# Allegro board zp-dic_pda_8ch_board_v001_166_20241018_1809.brd (continued)
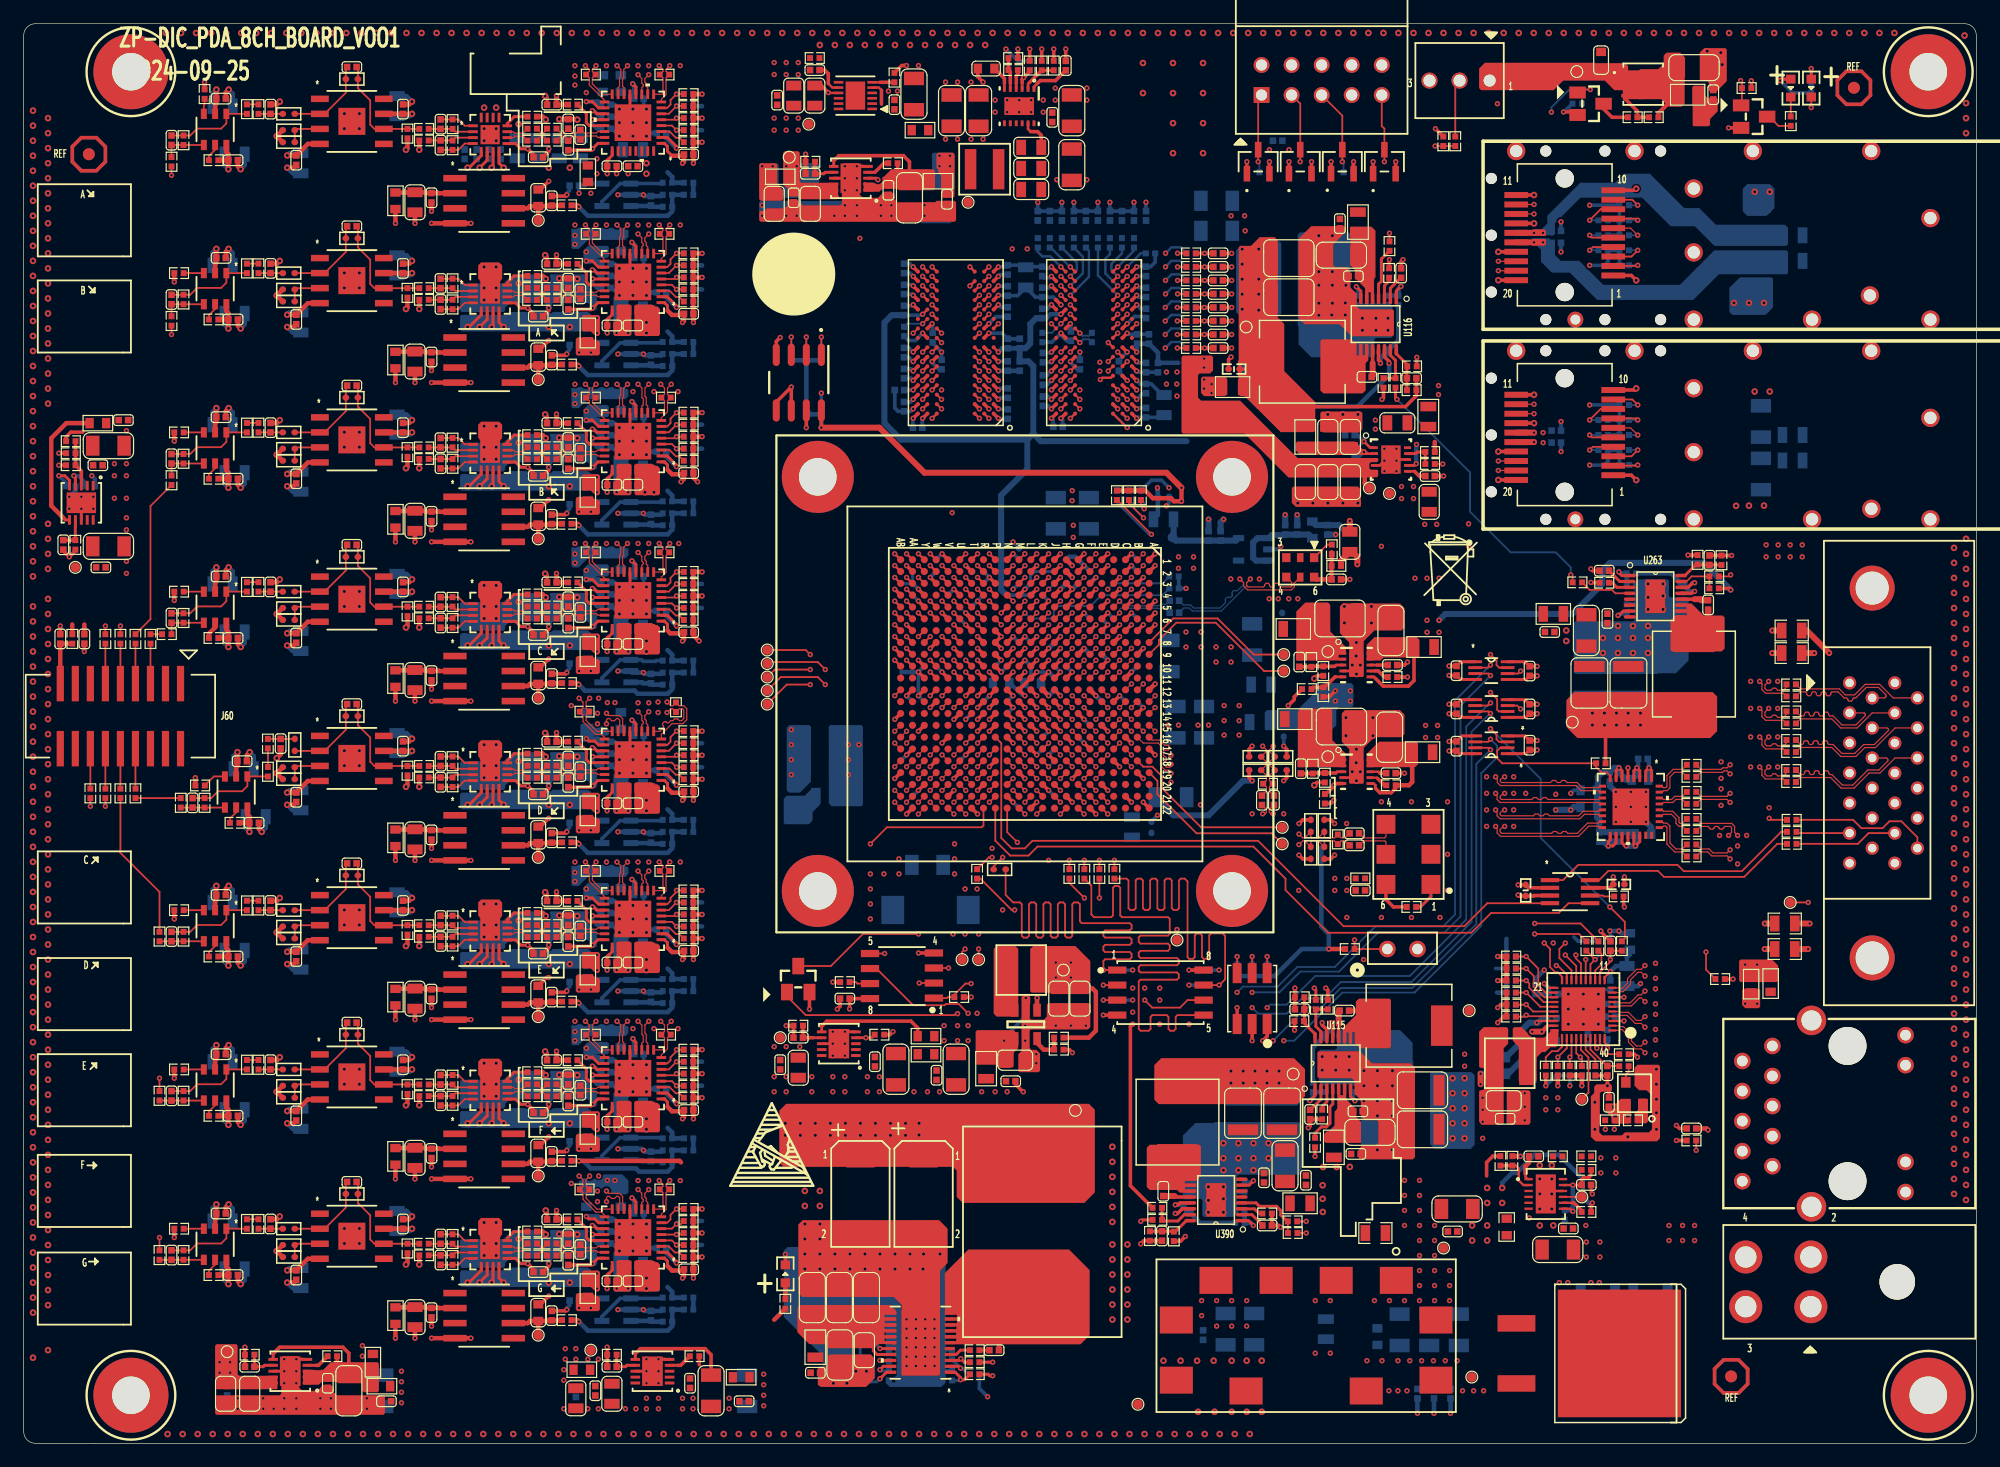
[diagram p0: board, top side]
## Routing (per net, layer and track width the routed paths; a pad name or vN(x,y) marks a point on that pad's centre or on a via; arc(x,y) is an arc through that point) (continued)
ADC4_EN0: length 2.7
  TOP w0.152: U375.4 54.78,44.07 v1(55.16,43.69) R3084.2
  BOTTOM w0.152: R3084.2 v1(55.16,43.69)
ADC4_EN1: length 2.6
  TOP w0.152: U375.5 55.03,44.57 v1(55.16,44.7) R3082.2
  BOTTOM w0.152: R3082.2 v1(55.16,44.7)
ADC4_EN2: length 2.8
  TOP w0.152: U375.6 54.52,45.07 v1(55.16,45.72) R3080.2
  BOTTOM w0.152: R3080.2 v1(55.16,45.72)
ADC4_EN3: length 3.2
  TOP w0.152: R3078.2 v1(55.16,46.74) 55.16,46.61 54.66,46.1 54.66,45.85 54.38,45.57 U375.7
  BOTTOM w0.152: R3078.2 v1(55.16,46.74)
ADC4_IN+: length 4.8
  TOP w0.102: R2754.2 45.41,43.18 45.64,43.18 C3161.1 46.4,43.18 46.63,43.18 46.9,42.91 C3160.2 47.17,42.91 47.46,43.2 48.4,43.2 48.53,43.07 U375.23
ADC4_IN-: length 4.8
  TOP w0.102: U375.22 48.53,43.57 48.4,43.45 47.38,43.45 47.12,43.71 C3160.1 46.95,43.71 46.68,43.43 46.4,43.43 C3158.2 45.64,43.43 45.41,43.43 R2747.2
ADC4_VCM_OUT: length 10.1
  TOP w0.254: v1(42.59,42.11) 42.01,42.11 41.56,42.56 U352.9
  TOP w0.305: v1(42.59,42.11) 43.08,41.62 C3163.1
  TOP w0.381: v1(45.02,46.61) C3325.2 R3089.2
  ART08 w0.381: v1(45.02,46.61) 42.59,44.18 v1(42.59,42.11)
ADC4_VIO: length 7
  TOP w0.254: v1(51.4,47.67) 51.73,47.34 U375.12
  BOTTOM w0.381: C3320.2 51.59,47.48 v1(51.4,47.67) ; 57.32,43.69 R3085.1 R3083.1 R3081.1 ; R3081.1 R3079.1 ; R3081.1 57.32,45.72
ADC4_VREF: length 11.4
  TOP w0.381: R2187.2 46.78,37.34 v1(46.91,37.21)
  BOTTOM w0.381: v1(46.91,37.21) 47.67,36.45 54.42,36.45 54.8,36.83 R3091.2 R3093.1 R3095.1
ADC5_CLK_N: length 85.8
  TOP w0.102: U378.16 48.93,100.57 48.05,101.45 48.05,101.96 R3096.1 48.05,102.51 48.05,102.68 v1(48.36,102.98) ; U1.Y22 v1(75.6,53.19)
  ART08 w0.102: v1(48.36,102.98) 48.12,102.74 48.12,102.25 50.07,100.3 52.9,100.3 53.64,99.57 53.64,92.53 56.26,89.92 56.26,88.49 55.62,87.86 55.21,87.86 54.61,87.26 54.61,77.65 55.16,77.09 55.67,77.09 56.26,76.5 56.26,75.53 54.61,73.88 54.61,63.88 55.44,63.04 55.44,61.25 54.61,60.42 54.61,54.64 57.15,52.1 74.36,52.1 74.46,52.2 74.46,52.22 74.56,52.32 74.76,52.32 74.86,52.22 74.86,52.2 74.97,52.1 75.3,52.1 75.94,52.74 75.94,52.88 76.04,52.98 76.04,53.4 75.85,53.59 75.71,53.59 75.6,53.49 v1(75.6,53.19)
ADC5_CLK_P: length 87.3
  TOP w0.102: U1.Y21 v1(75.6,54.19) ; v1(47.47,102.98) 47.8,102.65 47.8,102.51 R3096.2 47.8,101.96 47.8,101.35 49.08,100.06 U378.17
  ART08 w0.102: v1(75.6,54.19) 75.6,53.9 75.71,53.79 75.93,53.79 76.25,53.48 76.25,52.98 76.35,52.88 76.35,52.57 75.47,51.69 56.98,51.69 54.2,54.47 54.2,60.58 55.04,61.42 55.04,62.87 54.2,63.71 54.2,74.05 55.85,75.7 55.85,76.34 55.5,76.68 55,76.68 54.2,77.48 54.2,87.43 55.04,88.27 55.45,88.27 55.85,88.66 55.85,89.75 53.23,92.36 53.23,99.4 52.74,99.9 49.9,99.9 47.71,102.09 47.71,102.74 v1(47.47,102.98)
ADC5_CNV_N: length 85.3
  TOP w0.102: U378.8 53.88,100.14 54.28,100.53 54.28,101.96 R3097.1 54.28,102.51 54.28,102.67 v1(54.59,102.98) ; U1.AB21 v1(73.6,55.19)
  ART08 w0.102: v1(54.59,102.98) 54.48,102.87 54.48,102.39 54.63,102.24 57.26,102.24 58.26,101.24 58.26,100.03 57.92,99.7 56.23,99.7 56.13,99.59 56.13,98.2 56.23,98.09 57.95,98.09 58.29,97.76 58.29,96.85 57.95,96.51 56.13,96.51 56.03,96.41 56.03,96 56.13,95.9 57.95,95.9 58.29,95.56 58.29,94.1 57.95,93.76 56.87,93.76 56.77,93.66 56.77,93.25 56.87,93.15 57.95,93.15 58.29,92.81 58.29,83.8 57.95,83.46 57.6,83.46 57.5,83.36 57.5,82.95 57.6,82.85 57.95,82.85 58.29,82.51 58.29,79.77 57.95,79.43 57.55,79.43 57.45,79.33 57.45,78.92 57.55,78.82 57.95,78.82 58.29,78.48 58.29,57.96 58.59,57.67 58.73,57.67 59.55,58.48 60.03,58.48 60.56,57.96 60.56,57.48 59.75,56.67 59.75,56.53 61.54,54.74 70.97,54.74 71.13,54.9 73.1,54.9 73.2,54.79 73.77,54.79 73.93,54.95 73.93,55.09 73.83,55.19 v1(73.6,55.19)
ADC5_CNV_P: length 87.8
  TOP w0.102: v1(53.7,102.98) 54.02,102.67 54.02,102.51 R3097.2 54.02,101.96 54.02,100.64 53.95,100.57 U378.9 ; U1.AA20 v1(74.6,55.19)
  ART08 w0.102: v1(74.6,55.19) 74.23,55.19 74.13,55.09 74.13,54.86 73.86,54.59 73.2,54.59 73.1,54.49 71.3,54.49 71.14,54.33 61.37,54.33 59.34,56.36 59.34,56.84 60.15,57.65 60.15,57.79 59.86,58.08 59.72,58.08 58.9,57.26 58.42,57.26 57.88,57.79 57.88,78.31 57.78,78.41 57.38,78.41 57.04,78.75 57.04,79.5 57.38,79.84 57.78,79.84 57.88,79.94 57.88,82.34 57.78,82.45 57.43,82.45 57.1,82.78 57.1,83.53 57.43,83.87 57.78,83.87 57.88,83.97 57.88,92.64 57.78,92.74 56.7,92.74 56.36,93.08 56.36,93.82 56.7,94.16 57.78,94.16 57.88,94.27 57.88,95.39 57.78,95.49 55.96,95.49 55.62,95.83 55.62,96.57 55.96,96.91 57.78,96.91 57.88,97.02 57.88,97.59 57.78,97.69 56.06,97.69 55.72,98.03 55.72,99.76 56.06,100.1 57.76,100.1 57.86,100.2 57.86,101.07 57.1,101.83 56.9,101.83 56.8,101.73 56.8,101.63 56.7,101.52 56.5,101.52 56.39,101.63 56.39,101.73 56.29,101.83 56.09,101.83 55.99,101.73 55.99,101.63 55.89,101.52 55.68,101.52 55.58,101.63 55.58,101.73 55.48,101.83 55.28,101.83 55.18,101.73 55.18,101.63 55.07,101.52 54.87,101.52 54.77,101.63 54.77,101.73 54.67,101.83 54.46,101.83 54.07,102.22 54.07,102.88 53.97,102.98 v1(53.7,102.98)
ADC5_DATA_N: length 83.2
  TOP w0.102: v1(52.82,102.22) 52.82,102.22 52.49,101.89 52.49,101.61 52.61,101.49 52.61,101.25 52.73,101.13 U378.10 ; U1.AB22 v1(73.6,54.19)
  ART08 w0.102: v1(52.82,102.22) 52.57,101.97 52.57,101.65 52.68,101.55 53.1,101.55 53.36,101.28 53.51,101.28 53.56,101.33 53.7,101.33 53.85,101.19 53.85,101.05 53.8,101 53.8,100.85 53.94,100.71 54.08,100.71 54.13,100.76 54.28,100.76 54.42,100.62 54.42,100.47 54.37,100.42 54.37,100.28 54.68,99.97 54.68,93.47 57.27,90.88 57.27,87.86 56.43,87.02 56.43,77.85 57.27,77.01 57.27,75.11 56.51,74.35 56.51,67.01 56.61,66.91 56.91,66.91 57.25,66.57 57.25,65.82 56.91,65.48 55.83,65.48 55.72,65.38 55.72,64.98 55.83,64.87 56.91,64.87 57.25,64.53 57.25,63.79 56.91,63.45 56.61,63.45 56.51,63.35 56.51,62.94 56.61,62.84 56.91,62.84 57.25,62.5 57.25,61.76 56.91,61.42 56.61,61.42 56.51,61.32 56.51,58.24 56.6,58.15 56.6,57.67 56.05,57.11 56.05,56.97 56.34,56.68 56.48,56.68 57.04,57.24 57.52,57.24 58.39,56.36 58.39,55.88 57.52,55.01 57.52,54.87 57.81,54.58 57.95,54.58 58.82,55.45 59.3,55.45 59.83,54.93 59.83,54.45 58.95,53.57 58.95,53.43 59.24,53.14 59.39,53.14 60.26,54.01 60.74,54.01 61.39,53.37 67.92,53.37 68.13,53.57 68.33,53.57 68.53,53.37 68.74,53.37 68.94,53.57 69.14,53.57 69.34,53.37 73.44,53.37 73.99,53.92 73.99,54.09 73.88,54.19 v1(73.6,54.19)
ADC5_DATA_P: length 83.4
  TOP w0.102: U1.AA21 v1(74.6,54.19) ; v1(51.91,102.22) 52.23,101.9 52.23,101.51 52.35,101.38 52.35,101.25 52.23,101.13 U378.11
  ART08 w0.102: v1(74.6,54.19) 74.39,53.98 74.39,53.75 73.61,52.96 61.22,52.96 60.57,53.61 60.43,53.61 59.55,52.73 59.07,52.73 58.55,53.26 58.55,53.74 59.42,54.61 59.42,54.76 59.13,55.04 58.99,55.04 58.12,54.17 57.64,54.17 57.11,54.7 57.11,55.18 57.98,56.05 57.98,56.19 57.35,56.83 57.2,56.83 56.65,56.27 56.17,56.27 55.64,56.8 55.64,57.28 56.2,57.84 56.2,57.98 56.1,58.07 56.1,61.49 56.44,61.83 56.74,61.83 56.84,61.93 56.84,62.33 56.74,62.44 56.44,62.44 56.1,62.78 56.1,63.52 56.44,63.86 56.74,63.86 56.84,63.96 56.84,64.37 56.74,64.47 55.66,64.47 55.32,64.81 55.32,65.55 55.66,65.89 56.74,65.89 56.84,65.99 56.84,66.4 56.74,66.5 56.44,66.5 56.1,66.84 56.1,74.51 56.87,75.28 56.87,76.84 56.03,77.68 56.03,87.19 56.87,88.03 56.87,90.71 54.28,93.3 54.28,99.8 52.93,101.14 52.51,101.14 52.16,101.49 52.16,101.97 v1(51.91,102.22)
ADC5_DCO_N: length 89.9
  TOP w0.102: U1.Y19 v1(75.6,56.19) ; U378.14 50.73,101.13 50.61,101.25 50.61,101.87 50.71,101.97 50.71,102.67 v1(51.03,102.98)
  ART08 w0.102: v1(75.6,56.19) 75.6,56.62 75.5,56.72 75.23,56.72 74.1,55.59 73.31,55.59 73.21,55.49 64.05,55.49 62.99,56.55 62.85,56.55 62.1,55.8 61.62,55.8 61.1,56.33 61.1,56.81 61.84,57.55 61.84,57.7 58.9,60.64 58.9,101.51 56.74,103.67 56.59,103.67 56.29,103.37 55.81,103.37 55.29,103.9 55.29,104.38 56.45,105.54 56.45,105.68 56.16,105.97 56.02,105.97 54.82,104.78 54.23,104.78 53.85,105.15 53.85,106.33 53.75,106.43 53.31,106.43 53.21,106.33 53.21,104.81 52.87,104.47 51.86,104.47 50.97,105.36 50.97,106.15 50.87,106.25 49.78,106.25 49.48,105.94 49.48,105.74 49.58,105.64 49.63,105.64 49.73,105.53 49.73,105.33 49.63,105.23 49.58,105.23 49.48,105.13 49.48,104.9 50.02,104.36 50.16,104.36 50.22,104.42 50.36,104.42 50.51,104.28 50.51,104.13 50.45,104.07 50.45,103.93 50.67,103.71 50.67,103.2 50.89,102.98 v1(51.03,102.98)
ADC5_DCO_P: length 89.5
  TOP w0.102: U1.Y18 v1(75.6,57.19) ; v1(50.14,102.98) 50.45,102.67 50.45,102.07 50.35,101.97 50.35,101.25 50.23,101.13 U378.15
  ART08 w0.102: v1(75.6,57.19) 75.6,57.02 75.5,56.92 75.15,56.92 74.02,55.79 73.4,55.79 73.29,55.9 64.22,55.9 63.16,56.95 62.68,56.95 61.93,56.21 61.79,56.21 61.5,56.49 61.5,56.64 62.25,57.38 62.25,57.86 59.31,60.81 59.31,101.68 56.9,104.08 56.42,104.08 56.13,103.78 55.98,103.78 55.69,104.07 55.69,104.21 56.86,105.37 56.86,105.85 56.33,106.38 55.85,106.38 54.65,105.18 54.39,105.18 54.26,105.32 54.26,106.5 53.91,106.84 53.14,106.84 52.8,106.5 52.8,104.98 52.7,104.88 52.03,104.88 51.38,105.53 51.38,106.32 51.04,106.65 49.61,106.65 49.07,106.11 49.07,104.73 50.26,103.54 50.26,103.11 v1(50.14,102.98)
ADC5_EN0: length 2.7
  TOP w0.152: U378.4 54.78,97.92 v1(55.16,97.54) R3105.2
  BOTTOM w0.152: R3105.2 v1(55.16,97.54)
ADC5_EN1: length 2.6
  TOP w0.152: R3103.2 v1(55.16,98.55) 55.03,98.42 U378.5
  BOTTOM w0.152: R3103.2 v1(55.16,98.55)
ADC5_EN2: length 2.8
  TOP w0.152: U378.6 54.52,98.92 v1(55.16,99.57) R3101.2
  BOTTOM w0.152: R3101.2 v1(55.16,99.57)
ADC5_EN3: length 3.2
  TOP w0.152: U378.7 54.38,99.42 54.66,99.7 54.66,100.08 v1(55.16,100.58) R3099.2
  BOTTOM w0.152: R3099.2 v1(55.16,100.58)
ADC5_IN+: length 4.8
  TOP w0.102: U378.23 48.53,96.92 48.4,97.04 47.46,97.04 47.17,96.75 C3183.2 46.9,96.75 46.63,97.03 46.4,97.03 46.02,96.65 45.64,97.03 45.41,97.03 R2775.2
ADC5_IN-: length 4.8
  TOP w0.102: R2768.2 45.41,97.28 45.64,97.28 C3181.2 46.4,97.28 46.68,97.28 46.95,97.56 C3183.1 47.12,97.56 47.38,97.3 48.4,97.3 48.53,97.42 U378.22
ADC5_VCM_OUT: length 10.1
  TOP w0.254: U355.9 41.56,96.4 42.01,95.96 v1(42.59,95.96)
  TOP w0.305: v1(42.59,95.96) 43.08,95.47 C3186.1
  TOP w0.381: v1(45.02,100.46) C3339.2 R3110.2
  ART08 w0.381: v1(42.59,95.96) 42.59,98.02 v1(45.02,100.46)
ADC5_VIO: length 7
  TOP w0.254: v1(51.4,101.52) 51.74,101.18 51.74,100.58 U378.12
  BOTTOM w0.381: R3102.1 57.32,99.57 ; R3102.1 R3104.1 R3106.1 57.32,97.54 ; R3102.1 R3100.1 ; C3334.2 51.59,101.33 v1(51.4,101.52)
ADC5_VREF: length 11.4
  TOP w0.381: R2196.2 46.78,91.19 v1(46.91,91.06)
  BOTTOM w0.381: R3116.1 R3114.1 R3112.2 54.8,90.68 54.42,90.3 47.67,90.3 v1(46.91,91.06)
ADC6_CLK_N: length 82.5
  TOP w0.102: v1(48.36,35.67) 48.05,35.37 48.05,34.82 R3118.1 48.06,34.28 48.06,34.13 48.93,33.26 U381.16 ; U1.A16 95.35,59.45 95.98,59.45 96.41,59.01 96.72,59.01 96.82,58.91 96.82,58.7 96.72,58.6 96.41,58.6 96.31,58.5 96.31,58.16 96.41,58.06 96.47,58.06 96.57,57.95 96.57,57.75 96.47,57.65 96.41,57.65 96.31,57.55 96.31,57.4 96.57,57.15 96.85,57.15 96.95,57.25 v1(96.95,57.4)
  ART03 w0.102: v1(48.36,35.67) 48.12,35.43 48.12,34.94 49.41,33.66 53.39,33.66 54.02,34.29 55.57,34.29 59.31,30.56 72.83,30.56 73.89,31.62 87.89,31.62 91.72,35.45 91.72,41.88 94.48,44.65 94.48,49.55 96.29,51.35 96.29,54.19 95.98,54.5 95.98,56.89 96.32,57.23 96.77,57.23 v1(96.95,57.4)
ADC6_CLK_P: length 84.6
  TOP w0.102: v1(96.95,56.64) 96.95,56.77 96.82,56.9 96.46,56.9 96.06,57.3 96.06,59 95.87,59.19 94.61,59.19 U1.B16 ; v1(47.47,35.67) 47.8,35.34 47.8,34.82 R3118.2 47.8,34.27 47.8,34.04 49.08,32.75 U381.17
  ART03 w0.102: v1(96.95,56.64) 96.77,56.82 96.48,56.82 96.38,56.72 96.38,55.6 96.48,55.5 96.59,55.5 96.69,55.4 96.69,55.2 96.59,55.09 96.48,55.09 96.38,54.99 96.38,54.67 96.69,54.36 96.69,53.97 96.8,53.86 96.87,53.86 96.97,53.76 96.97,53.56 96.87,53.46 96.8,53.46 96.69,53.36 96.69,53.15 96.8,53.05 96.87,53.05 96.97,52.95 96.97,52.75 96.87,52.65 96.8,52.65 96.69,52.54 96.69,52.34 96.8,52.24 96.87,52.24 96.97,52.14 96.97,51.93 96.87,51.83 96.8,51.83 96.69,51.73 96.69,51.18 94.89,49.38 94.89,44.48 92.12,41.72 92.12,35.28 88.06,31.22 74.06,31.22 73,30.15 59.14,30.15 55.4,33.88 54.19,33.88 53.56,33.25 49.24,33.25 47.71,34.78 47.71,35.43 v1(47.47,35.67)
ADC6_CNV_N: length 81
  TOP w0.102: U381.8 53.88,32.83 54.4,33.35 54.4,34.27 R3117.1 54.4,34.82 54.4,35.36 v1(54.72,35.67) ; U1.A15 v1(95.6,60.19)
  ART03 w0.102: v1(95.6,60.19) 95.21,59.79 95.21,51.43 93.54,49.77 93.54,44.79 90.65,41.89 90.65,37.58 89.32,36.25 89.32,34.79 88.16,33.63 85.69,33.63 85.05,32.99 73.3,32.99 72.06,31.75 67.64,31.75 67.3,32.09 67.3,32.79 67.2,32.89 66.79,32.89 66.69,32.79 66.69,32.09 66.35,31.75 60.36,31.75 59.83,32.28 59.83,32.76 61.08,34.01 61.08,34.15 60.79,34.44 60.65,34.44 59.4,33.19 58.92,33.19 58.39,33.71 58.39,34.19 58.94,34.75 58.94,34.89 58.66,35.18 58.51,35.18 57.96,34.63 57.48,34.63 56.95,35.15 56.95,35.63 57.66,36.34 57.66,36.48 57.37,36.77 57.23,36.77 56.52,36.06 56.04,36.06 55.78,36.32 54.61,36.32 54.5,36.22 54.5,35.89 v1(54.72,35.67)
ADC6_CNV_P: length 81.5
  TOP w0.102: v1(53.83,35.67) 54.15,35.36 54.15,34.82 R3117.2 54.15,34.27 54.15,33.46 53.95,33.26 U381.9 ; U1.B15 v1(94.6,60.19)
  ART03 w0.102: v1(94.6,60.19) 94.9,60.19 95,60.09 95,51.81 94.72,51.52 94.57,51.52 94.52,51.58 94.37,51.58 94.23,51.43 94.23,51.29 94.29,51.23 94.29,51.09 93.14,49.94 93.14,44.96 90.24,42.06 90.24,37.74 88.92,36.42 88.92,34.96 87.99,34.04 85.52,34.04 84.88,33.4 73.13,33.4 71.89,32.16 67.81,32.16 67.71,32.26 67.71,32.96 67.37,33.3 66.62,33.3 66.28,32.96 66.28,32.26 66.18,32.16 60.52,32.16 60.24,32.44 60.24,32.59 61.49,33.84 61.49,34.32 60.96,34.84 60.48,34.84 59.23,33.59 59.09,33.59 58.8,33.88 58.8,34.03 59.35,34.58 59.35,35.06 58.82,35.58 58.34,35.58 57.79,35.03 57.65,35.03 57.36,35.32 57.36,35.46 58.07,36.17 58.07,36.65 57.54,37.17 57.06,37.17 56.35,36.47 56.21,36.47 55.95,36.73 54.44,36.73 54.1,36.39 54.1,35.94 v1(53.83,35.67)
ADC6_DATA_N: length 84.1
  TOP w0.102: U1.C15 v1(93.6,60.19) ; U381.10 52.73,33.82 52.61,33.94 52.61,34.56 52.5,34.67 52.5,35.35 v1(52.82,35.67)
  ART03 w0.102: v1(52.82,35.67) 52.57,35.92 52.57,36.07 54.32,37.82 58.73,37.82 58.83,37.72 58.83,36.53 59.17,36.2 59.91,36.2 60.25,36.53 60.25,37.72 60.36,37.82 60.76,37.82 60.86,37.72 60.86,36.53 61.2,36.2 61.95,36.2 62.29,36.53 62.29,37.72 62.39,37.82 62.9,37.82 65.49,35.23 67.02,35.23 67.36,35.57 67.36,36.27 67.46,36.37 67.86,36.37 67.97,36.27 67.97,35.57 68.31,35.23 70.78,35.23 71.12,35.57 71.12,36.45 71.22,36.55 71.62,36.55 71.73,36.45 71.73,35.32 72.07,34.98 72.81,34.98 73.15,35.32 73.15,36.45 73.25,36.55 73.66,36.55 73.76,36.45 73.76,35.32 74.1,34.98 74.84,34.98 75.18,35.32 75.18,36.45 75.28,36.55 75.69,36.55 75.79,36.45 75.79,34.81 76.13,34.47 85.06,34.47 85.62,35.03 86.25,35.03 89.45,38.23 89.45,42.48 91.74,44.76 91.74,49.48 93.31,51.06 93.31,53.18 93.27,53.22 93.27,53.37 93.31,53.41 93.31,53.61 93.21,53.71 93.21,60.41 93.36,60.57 93.5,60.57 93.6,60.46 v1(93.6,60.19)
ADC6_DATA_P: length 84.5
  TOP w0.102: U1.C14 v1(93.6,61.19) ; v1(51.91,35.67) 52.24,35.34 52.24,34.57 52.35,34.45 52.35,33.94 52.23,33.82 U381.11
  ART03 w0.102: v1(93.6,61.19) 93.6,60.87 93.5,60.77 93.28,60.77 93,60.5 93,53.71 92.98,53.69 92.98,53.65 92.99,53.64 92.99,53.5 92.9,53.41 92.9,51.22 91.33,49.65 91.33,48.4 91.33,44.93 89.05,42.65 89.05,38.4 86.09,35.43 85.45,35.43 84.89,34.87 76.3,34.87 76.2,34.98 76.2,36.62 75.86,36.96 75.11,36.96 74.77,36.62 74.77,35.48 74.67,35.38 74.27,35.38 74.16,35.48 74.16,36.62 73.82,36.96 73.08,36.96 72.74,36.62 72.74,35.48 72.64,35.38 72.23,35.38 72.13,35.48 72.13,36.62 71.79,36.96 71.05,36.96 70.71,36.62 70.71,35.74 70.61,35.64 68.47,35.64 68.37,35.74 68.37,36.44 68.03,36.78 67.29,36.78 66.95,36.44 66.95,35.74 66.85,35.64 65.66,35.64 63.06,38.23 62.22,38.23 61.88,37.89 61.88,36.7 61.78,36.6 61.37,36.6 61.27,36.7 61.27,37.89 60.93,38.23 60.19,38.23 59.85,37.89 59.85,36.7 59.75,36.6 59.34,36.6 59.24,36.7 59.24,37.89 58.9,38.23 54.15,38.23 52.16,36.24 52.16,35.92 v1(51.91,35.67)
ADC6_DCO_N: length 84.5
  TOP w0.102: v1(51.03,35.67) 50.71,35.36 50.71,34.66 50.61,34.56 50.61,33.94 50.73,33.82 U381.14 ; v1(91.6,58.19) U1.E18
  ART03 w0.102: v1(51.03,35.67) 50.78,35.92 50.78,37.28 52.47,38.96 63.94,38.96 65.31,37.59 66.06,37.59 66.4,37.93 66.4,38.89 66.5,38.99 66.91,38.99 67.01,38.89 67.01,37.93 67.35,37.59 69.01,37.59 69.35,37.93 69.35,38.81 69.45,38.91 69.86,38.91 69.96,38.81 69.96,37.93 70.3,37.59 71.04,37.59 71.38,37.93 71.38,38.81 71.48,38.91 71.89,38.91 71.99,38.81 71.99,37.93 72.33,37.59 73.07,37.59 73.41,37.93 73.41,38.81 73.51,38.91 73.92,38.91 74.02,38.81 74.02,37.93 74.36,37.59 76.22,37.59 76.56,37.93 76.56,39.14 76.66,39.24 77.06,39.24 77.16,39.14 77.16,36.84 77.5,36.5 78.25,36.5 78.59,36.84 78.59,39.14 78.69,39.24 79.1,39.24 79.2,39.14 79.2,37.15 79.54,36.81 80.71,36.81 81.96,35.56 84.25,35.56 85.08,36.39 85.59,36.39 88.05,38.86 88.05,43.11 90.47,45.52 90.47,49.7 92.31,51.54 92.31,52.78 92.21,52.88 92.21,56.56 91.21,57.56 91.21,57.99 91.41,58.19 v1(91.6,58.19)
ADC6_DCO_P: length 84.5
  TOP w0.102: v1(50.14,35.67) 50.45,35.36 50.45,34.76 50.35,34.66 50.35,33.94 50.23,33.82 U381.15 ; v1(90.61,58.19) U1.E17
  ART03 w0.102: v1(50.14,35.67) 50.38,35.92 50.38,37.44 52.3,39.37 64.11,39.37 65.48,38 65.89,38 65.99,38.1 65.99,39.06 66.33,39.4 67.08,39.4 67.42,39.06 67.42,38.1 67.52,38 68.84,38 68.94,38.1 68.94,38.98 69.28,39.32 70.02,39.32 70.36,38.98 70.36,38.1 70.46,38 70.87,38 70.97,38.1 70.97,38.98 71.31,39.32 72.06,39.32 72.4,38.98 72.4,38.1 72.5,38 72.9,38 73,38.1 73,38.98 73.34,39.32 74.09,39.32 74.43,38.98 74.43,38.1 74.53,38 76.05,38 76.15,38.1 76.15,39.31 76.49,39.65 77.23,39.65 77.57,39.31 77.57,37.01 77.67,36.91 78.08,36.91 78.18,37.01 78.18,39.31 78.52,39.65 79.26,39.65 79.6,39.31 79.6,37.32 79.7,37.22 80.88,37.22 82.13,35.97 84.08,35.97 84.91,36.8 85.42,36.8 87.65,39.03 87.65,43.28 90.06,45.69 90.06,49.87 91.9,51.71 91.9,52.87 92,52.97 92,56.47 91,57.47 91,58.09 90.9,58.19 v1(90.61,58.19)
ADC6_EN0: length 2.7
  TOP w0.152: U381.4 54.78,30.61 v1(55.16,30.23) R3126.2
  BOTTOM w0.152: R3126.2 v1(55.16,30.23)
ADC6_EN1: length 2.6
  TOP w0.152: U381.5 55.03,31.11 v1(55.16,31.24) R3124.2
  BOTTOM w0.152: R3124.2 v1(55.16,31.24)
ADC6_EN2: length 2.8
  TOP w0.152: U381.6 54.52,31.61 v1(55.16,32.26) R3122.2
  BOTTOM w0.152: R3122.2 v1(55.16,32.26)
ADC6_EN3: length 3.2
  TOP w0.152: U381.7 54.38,32.11 54.66,32.39 54.66,32.64 55.16,33.15 v1(55.16,33.27) R3120.2
  BOTTOM w0.152: R3120.2 v1(55.16,33.27)
ADC6_IN+: length 4.8
  TOP w0.102: U381.23 48.53,29.61 48.4,29.73 47.46,29.73 47.17,29.44 C3206.2 46.9,29.44 46.63,29.72 46.4,29.72 C3207.1 45.64,29.72 45.41,29.72 R2796.2
ADC6_IN-: length 4.8
  TOP w0.102: R2789.2 45.41,29.97 45.64,29.97 C3204.2 46.4,29.97 46.68,29.97 46.95,30.25 C3206.1 47.12,30.25 47.38,29.99 48.4,29.99 48.53,30.11 U381.22
ADC6_VCM_OUT: length 10.1
  TOP w0.254: v1(42.59,28.65) 42.01,28.65 41.56,29.09 U359.9
  TOP w0.305: v1(42.59,28.65) 43.08,28.16 C3209.1
  TOP w0.381: v1(45.02,33.15) C3353.2 R3131.2
  ART08 w0.381: v1(42.59,28.65) 42.59,30.71 v1(45.02,33.15)
ADC6_VIO: length 6.9
  TOP w0.254: v1(51.48,34.21) 51.48,34.12 51.74,33.87 51.74,33.27 U381.12
  BOTTOM w0.381: R3123.1 R3121.1 ; R3123.1 R3125.1 R3127.1 57.32,30.23 ; R3123.1 57.32,32.26 ; C3348.2 51.59,34.02 51.48,34.12 v1(51.48,34.21)
ADC6_VREF: length 20.1
  TOP w0.381: R2197.2 v1(46.91,23.88) 55.42,23.88 55.55,23.75
  BOTTOM w0.381: R3137.1 R3135.1 R3133.2 54.8,23.35 54.42,22.97 52.01,22.97 51.74,23.24 47.93,23.24 47.29,23.88 v1(46.91,23.88)
ADC7_CLK_N: length 84.6
  TOP w0.102: v1(48.36,116.45) 48.05,116.14 48.05,115.97 R3139.1 48.05,115.42 48.05,114.91 48.93,114.03 U384.16 ; U1.AB18 v1(73.6,57.19)
  ART08 w0.102: v1(73.6,57.19) 73.98,57.19 74.08,57.09 74.08,56.89 73.98,56.79 73.07,56.79 72.97,56.89 70.79,56.89 70.33,57.35 68.59,57.35 68.47,57.48 68.19,57.48 68.06,57.35 67.78,57.35 67.65,57.48 67.37,57.48 67.25,57.35 66.97,57.35 66.84,57.48 66.56,57.48 66.43,57.35 64.22,57.35 60.32,61.26 60.32,102.18 58.49,104.01 58.49,106.45 57.3,107.65 54.63,107.65 52.96,109.32 50.62,109.32 50.15,109.79 49.73,110.21 49.73,114.1 48.12,115.72 48.12,116.21 v1(48.36,116.45)
ADC7_CLK_P: length 85.2
  TOP w0.102: v1(47.47,116.45) 47.8,116.12 47.8,115.97 R3139.2 47.8,115.42 47.8,114.81 49.08,113.53 U384.17 ; U1.AA18 v1(74.6,57.19)
  ART08 w0.102: v1(74.6,57.19) 74.38,57.19 74.28,57.09 74.28,56.81 74.06,56.59 73.07,56.59 72.97,56.49 70.62,56.49 70.16,56.95 64.06,56.95 59.91,61.09 59.91,102.02 58.09,103.84 58.09,106.28 57.13,107.24 54.46,107.24 52.79,108.92 50.45,108.92 50.06,109.31 49.32,110.04 49.32,113.94 47.71,115.55 47.71,116.21 v1(47.47,116.45)
ADC7_CNV_N: length 80.9
  TOP w0.102: v1(54.59,116.45) 54.28,116.13 54.28,115.97 R3138.1 54.28,115.42 54.28,113.99 53.88,113.6 U384.8 ; U1.AB16 v1(74.6,60.19)
  ART08 w0.102: v1(74.6,60.19) 74.41,60.19 74.31,60.29 74.31,60.52 74.04,60.79 73.25,60.79 73.15,60.9 72.78,60.9 72.46,61.21 68.25,61.21 67.49,61.96 67.01,61.96 66.05,61 65.91,61 65.62,61.29 65.62,61.43 66.58,62.4 66.58,62.88 66.06,63.4 65.58,63.4 64.61,62.44 64.47,62.44 64.18,62.73 64.18,62.87 65.15,63.83 65.15,64.31 63.37,66.09 63.37,95.99 63.98,96.6 63.98,105.51 61.82,107.67 61.82,111.84 57.93,115.72 54.56,115.72 54.45,115.82 54.45,116.31 v1(54.59,116.45)
ADC7_CNV_P: length 81.6
  TOP w0.102: U384.9 53.95,114.03 54.02,114.1 54.02,115.42 R3138.2 54.02,115.97 54.02,116.13 v1(53.7,116.45) ; v1(73.6,60.19) U1.AB15
  ART08 w0.102: v1(73.6,60.19) 74,60.19 74.1,60.29 74.1,60.44 73.95,60.59 73.25,60.59 73.15,60.49 72.61,60.49 72.29,60.81 68.08,60.81 67.33,61.56 67.18,61.56 66.22,60.6 65.74,60.6 65.21,61.12 65.21,61.6 66.18,62.56 66.18,62.71 65.89,63 65.75,63 64.78,62.03 64.3,62.03 63.78,62.56 63.78,63.04 64.74,64 64.74,64.15 62.96,65.92 62.96,96.16 63.57,96.76 63.57,105.34 61.41,107.5 61.41,111.67 57.77,115.32 54.39,115.32 54.05,115.66 54.05,116.31 53.91,116.45 v1(53.7,116.45)
ADC7_DATA_N: length 82.7
  TOP w0.102: U384.10 52.73,114.59 52.61,114.71 52.61,114.95 52.49,115.07 52.49,115.35 52.82,115.68 v1(52.82,115.68) ; U1.AB17 v1(73.6,59.19)
  ART08 w0.102: v1(73.6,59.19) 73.89,59.19 73.99,59.09 73.99,58.92 73.83,58.75 73.22,58.75 72.08,59.89 70.43,59.89 70.23,60.1 70.03,60.1 69.82,59.89 69.62,59.89 69.42,60.1 69.21,60.1 69.01,59.89 64.66,59.89 62.35,62.2 62.35,103.07 60.75,104.67 60.75,110.53 60.41,110.87 58.47,110.87 58.37,110.97 58.37,112.88 57.98,113.26 56.55,113.26 56.21,112.92 56.21,111.14 55.43,110.36 55.01,110.36 54.66,110.72 54.66,113.45 53.83,114.28 53.83,114.42 53.83,114.56 53.69,114.71 53.55,114.71 53.55,114.71 53.4,114.71 53.1,115.01 52.68,115.01 52.57,115.12 52.57,115.44 v1(52.82,115.68)
ADC7_DATA_P: length 83.3
  TOP w0.102: v1(51.91,115.68) 52.23,115.37 52.23,114.97 52.35,114.85 52.35,114.71 52.23,114.59 U384.11 ; U1.AA16 v1(74.6,59.19)
  ART08 w0.102: v1(51.91,115.68) 52.16,115.43 52.16,114.95 52.51,114.6 52.93,114.6 54.25,113.28 54.25,110.55 54.84,109.96 55.6,109.96 56.61,110.97 56.61,112.75 56.71,112.85 57.82,112.85 57.96,112.71 57.96,110.8 58.3,110.46 60.24,110.46 60.35,110.36 60.35,104.5 61.95,102.9 61.95,62.04 64.5,59.49 71.91,59.49 73.06,58.34 73.99,58.34 74.4,58.75 74.4,58.98 v1(74.6,59.19)
ADC7_DCO_N: length 84.4
  TOP w0.102: U1.Y17 v1(75.6,58.19) ; v1(51.03,116.45) 50.71,116.13 50.71,115.43 50.61,115.33 50.61,114.71 50.73,114.59 U384.14
  ART08 w0.102: v1(51.03,116.45) 50.78,116.21 50.78,115.93 50.89,115.83 50.95,115.83 51.05,115.73 51.05,115.53 50.95,115.43 50.89,115.43 50.78,115.32 50.78,114.87 51.74,113.92 52.75,113.92 53.64,113.03 53.64,110.23 54.83,109.04 57.73,109.04 57.97,108.8 58.11,108.8 58.55,109.24 59.03,109.24 59.56,108.71 59.56,108.23 59.12,107.8 59.12,107.65 59.66,107.11 59.66,104.32 61.34,102.64 61.34,61.72 64.44,58.62 66.68,58.62 66.88,58.83 67.09,58.83 67.29,58.62 67.49,58.62 67.7,58.83 67.9,58.83 68.1,58.62 68.31,58.62 68.51,58.83 68.71,58.83 68.92,58.62 70.46,58.62 71.18,57.9 72.97,57.9 73.07,57.79 75.98,57.79 76.08,57.9 76.08,58.09 75.98,58.19 v1(75.6,58.19)
ADC7_DCO_P: length 84.4
  TOP w0.102: U384.15 50.23,114.59 50.35,114.71 50.35,115.43 50.45,115.54 50.45,116.13 v1(50.14,116.45) ; U1.W17 v1(76.6,58.19)
  ART08 w0.102: v1(50.14,116.45) 50.38,116.21 50.38,114.7 51.57,113.51 52.58,113.51 53.23,112.86 53.23,110.06 54.66,108.64 57.56,108.64 57.8,108.4 58.28,108.4 58.72,108.83 58.86,108.83 59.15,108.55 59.15,108.4 58.71,107.96 58.71,107.48 59.25,106.94 59.25,104.15 60.93,102.47 60.93,61.55 64.27,58.22 70.29,58.22 71.02,57.49 72.97,57.49 73.07,57.59 76.06,57.59 76.28,57.81 76.28,58.09 76.38,58.19 v1(76.6,58.19)
ADC7_EN0: length 2.7
  TOP w0.152: R3147.2 v1(55.16,111) 54.78,111.38 U384.4
  BOTTOM w0.152: R3147.2 v1(55.16,111)
ADC7_EN1: length 2.6
  TOP w0.152: U384.5 55.03,111.88 v1(55.16,112.01) R3145.2
  BOTTOM w0.152: R3145.2 v1(55.16,112.01)
ADC7_EN2: length 2.8
  TOP w0.152: U384.6 54.52,112.38 v1(55.16,113.03) R3143.2
  BOTTOM w0.152: R3143.2 v1(55.16,113.03)
ADC7_EN3: length 3.2
  TOP w0.152: U384.7 54.38,112.88 54.66,113.16 54.66,113.54 v1(55.16,114.05) R3141.2
  BOTTOM w0.152: R3141.2 v1(55.16,114.05)
ADC7_IN+: length 4.8
  TOP w0.102: R2817.2 45.41,110.49 45.64,110.49 C3230.1 46.4,110.49 46.63,110.49 46.9,110.22 C3229.2 47.17,110.22 47.46,110.51 48.4,110.51 48.53,110.38 U384.23
ADC7_IN-: length 4.8
  TOP w0.102: U384.22 48.53,110.88 48.4,110.76 47.38,110.76 47.12,111.02 C3229.1 46.95,111.02 46.68,110.74 46.4,110.74 C3227.2 45.64,110.74 45.41,110.74 R2810.2